# Allegro board 8880F5-0823_9.brd (continued)
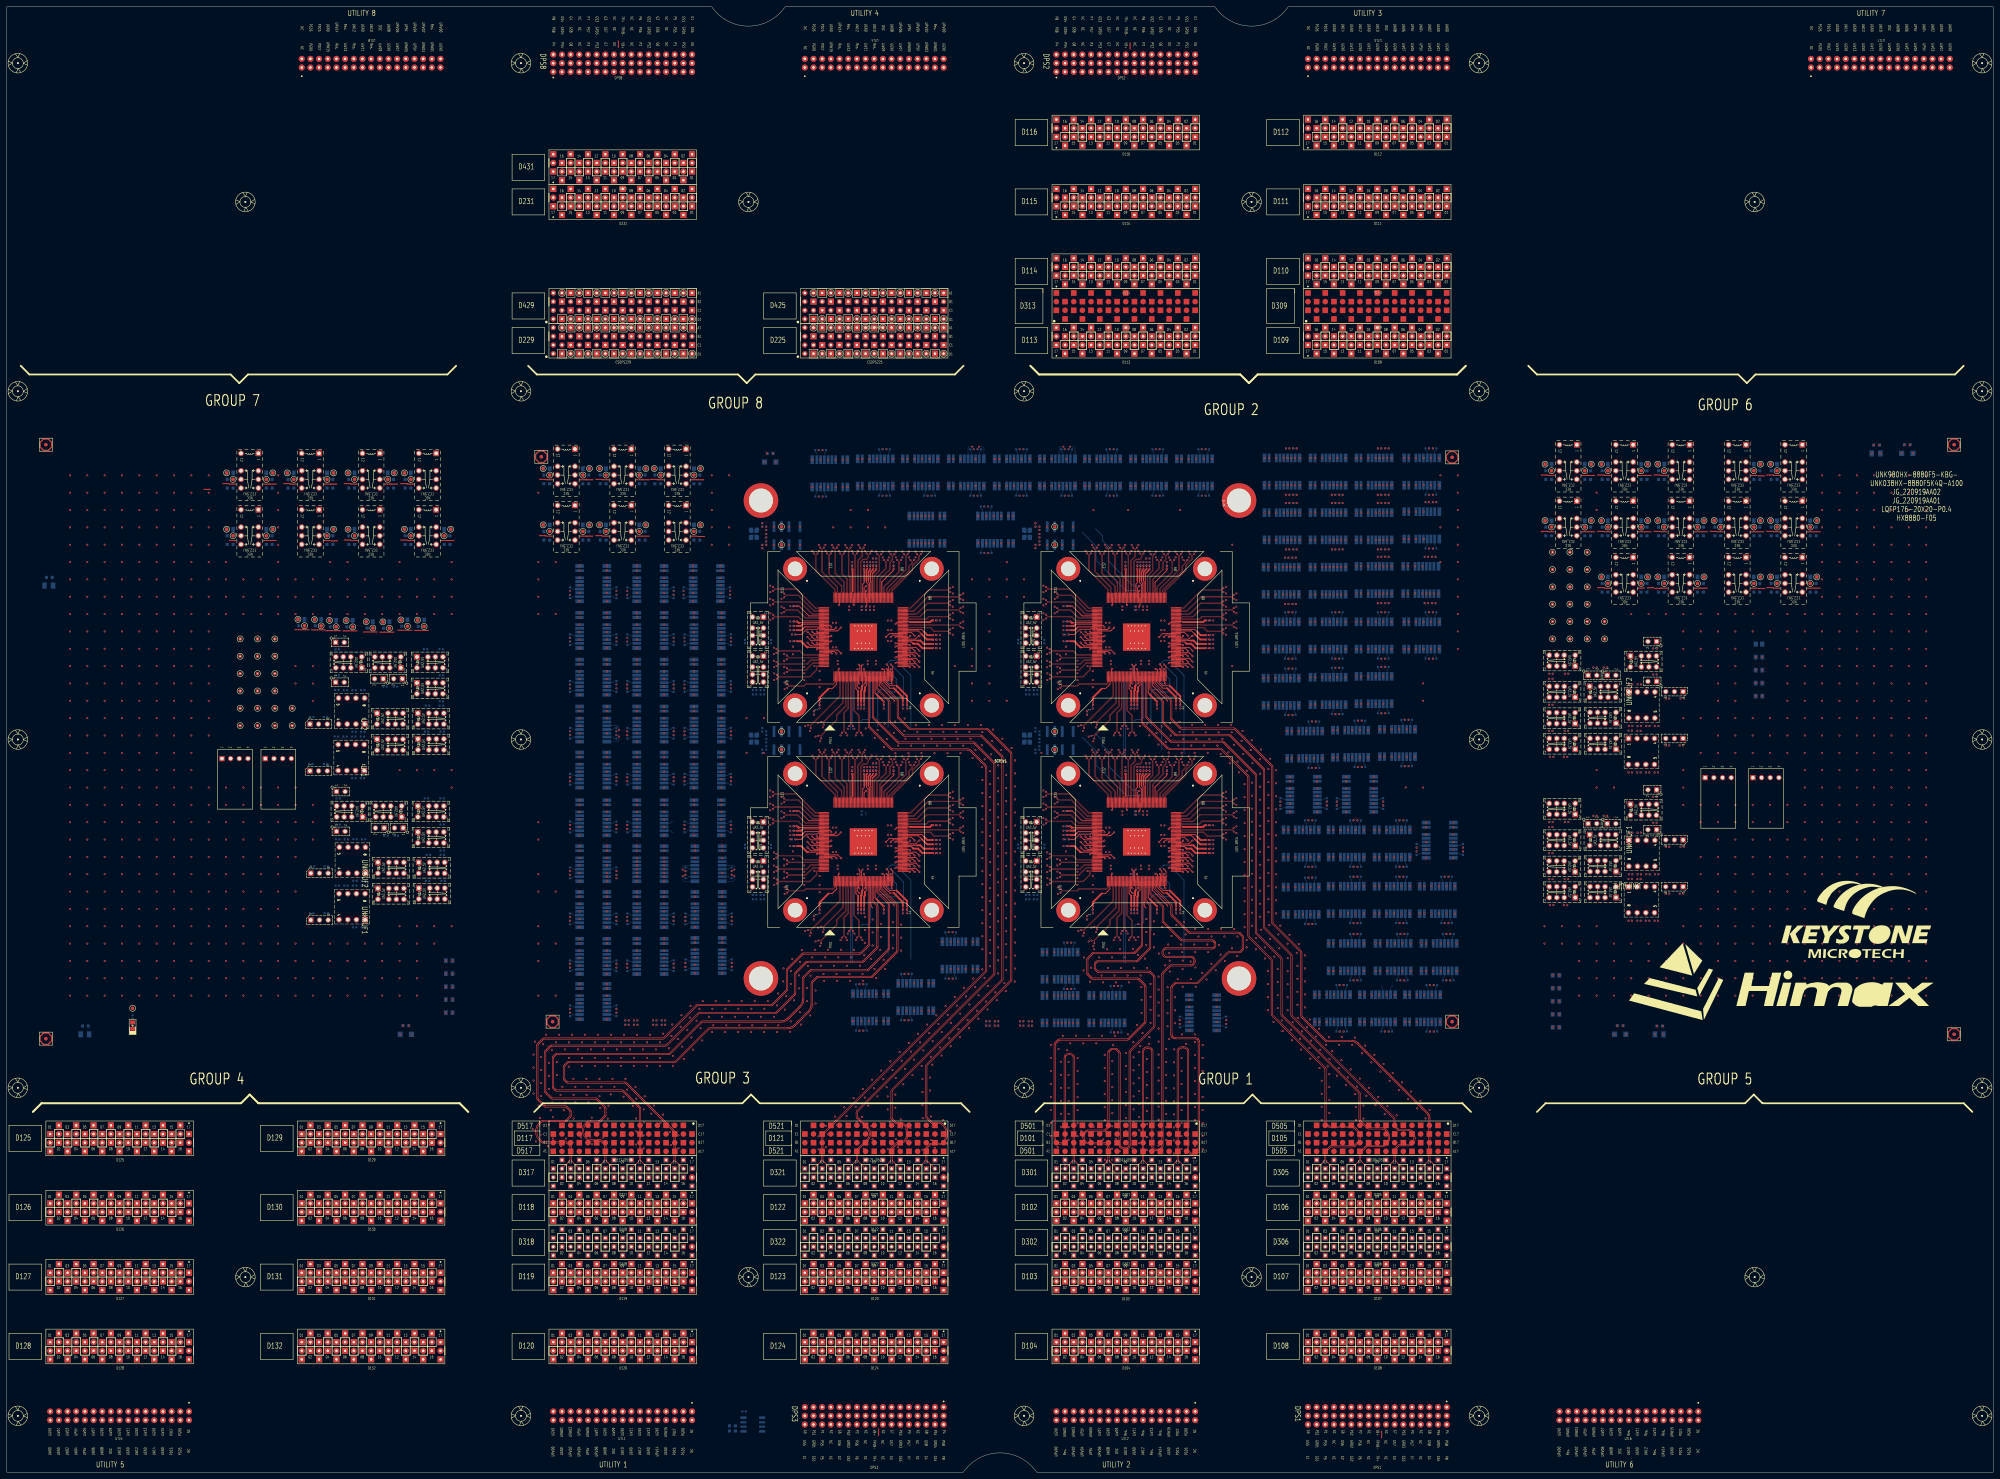
[diagram p0: board, top side]
## Routing (per net, layer and track width the routed paths; a pad name or vN(x,y) marks a point on that pad's centre or on a via; arc(x,y) is an arc through that point) (continued)
D10709: length 833.7
  TOP w0.086: v1(336.07,208.93) 335.64,208.51 335.64,204.07 334.15,202.58 334.15,197.86 334.23,197.78 SITE4.102
  L05_SIGNAL w0.071: D107.09 403.22,53.98 403.22,49.89 405.32,47.79 424.12,47.79 452.17,19.73 499.22,19.73 503.3,15.65 560.45,15.65 566.08,21.28 566.08,239.9 562.64,243.34 509.54,243.34 507.58,241.37 507.58,239.41 509.62,237.37 562.46,237.37 563.16,236.67 563.16,234.81 562.14,233.79 487.98,233.79 484.05,229.86 473.1,229.86 471.62,228.38 443.14,228.38 440.3,225.54 440.3,186.24 432.75,178.69 418.15,178.69 414.33,182.52 413.29,182.52 v1(412.81,182.99)
  L32_SIGNAL w0.071: v1(412.81,182.99) 412.32,182.5 407.75,182.5 405.49,184.75 405.49,188.39 404.36,189.52 369.32,189.52 367.12,191.71 362.46,191.71 361.14,190.4 359.41,190.4 357.44,192.37 350.37,192.37 343.59,199.14 338.86,199.14 335.6,202.4 335.6,208.46 v1(336.07,208.93)
D10710: length 833.7
  TOP w0.086: v1(359.29,187.66) 358.84,188.11 344.06,188.11 343.98,188.03 SITE4.75
  L07_SIGNAL w0.071: v1(421.02,160.85) 421.5,160.37 421.5,159.71 422.1,159.1 437.85,159.1 444.44,152.51 444.44,128.31 450.77,121.98 519.53,121.98 526.96,114.55 526.96,27.12 526.09,26.25 521.14,26.25 520.03,25.14 520.03,24.13 520.85,23.31 525.36,23.31 525.84,22.83 525.84,22.17 524.96,21.29 440.3,21.29 439.81,20.8 439.81,20.26 440.31,19.75 523.13,19.75 524.03,18.85 524.03,17.84 522.9,16.7 446.86,16.7 445.58,15.43 445.58,14.35 447.42,12.51 516.96,12.51 517.55,11.93 517.55,11.04 516.47,9.96 448.76,9.96 435.6,23.12 435.6,50.79 423.68,62.71 407.11,62.71 406.66,62.27 406.66,61.16 406.02,60.52 405.96,60.52 D107.10
  L30_SIGNAL w0.071: v1(421.02,160.85) 421.5,161.32 421.5,162.24 421.07,162.68 418.82,162.68 418.3,162.16 418.3,159.59 414.98,156.26 405.77,156.26 399.36,162.67 399.36,179.96 397.46,181.87 367.79,181.87 361.53,188.13 359.76,188.13 v1(359.29,187.66)
D10711: length 833.7
  TOP w0.086: v1(334.93,208.93) 335.4,208.46 335.4,204.17 333.91,202.68 333.91,197.86 333.83,197.78 SITE4.103
  L05_SIGNAL w0.071: D107.11 404.43,53.91 404.1,53.91 403.42,53.22 403.42,49.97 405.41,47.98 424.2,47.98 452.25,19.93 499.3,19.93 503.38,15.85 560.37,15.85 565.88,21.36 565.88,239.82 562.55,243.14 509.63,243.14 507.78,241.29 507.78,239.49 509.7,237.57 562.54,237.57 563.36,236.75 563.36,234.73 562.23,233.59 488.07,233.59 484.13,229.66 473.18,229.66 471.7,228.18 443.22,228.18 440.5,225.46 440.5,186.16 432.83,178.5 418.07,178.5 414.25,182.32 413.29,182.32 v1(412.81,181.84)
  L32_SIGNAL w0.071: v1(334.93,208.93) 335.4,208.46 335.4,202.32 338.77,198.94 343.51,198.94 350.28,192.17 357.36,192.17 359.33,190.2 361.23,190.2 362.54,191.52 367.04,191.52 369.23,189.32 404.28,189.32 405.3,188.3 405.3,184.67 407.67,182.3 412.36,182.3 v1(412.81,181.84)
D10712: length 833.7
  TOP w0.086: v1(359.29,188.8) 358.84,188.35 344.06,188.35 343.98,188.43 SITE4.76
  L07_SIGNAL w0.071: v1(422.17,160.85) 421.7,160.37 421.7,159.79 422.18,159.3 437.93,159.3 444.64,152.59 444.64,128.4 450.85,122.18 519.61,122.18 527.16,114.63 527.16,27.03 526.18,26.05 521.22,26.05 520.23,25.06 520.23,24.22 520.94,23.51 525.44,23.51 526.03,22.91 526.03,22.09 525.04,21.09 440.38,21.09 440,20.72 440,20.34 440.39,19.95 523.21,19.95 524.23,18.93 524.23,17.75 522.98,16.5 446.94,16.5 445.78,15.35 445.78,14.43 447.5,12.71 517.05,12.71 517.75,12.01 517.75,10.96 516.55,9.76 448.68,9.76 435.4,23.03 435.4,50.71 423.6,62.51 407.19,62.51 406.86,62.18 406.86,60.5 D107.12
  L30_SIGNAL w0.071: v1(359.29,188.8) 359.76,188.33 361.61,188.33 367.87,182.06 397.54,182.06 399.56,180.05 399.56,162.76 405.86,156.46 414.9,156.46 418.11,159.67 418.11,162.24 418.74,162.87 421.15,162.87 421.7,162.32 421.7,161.31 v1(422.17,160.85)
D10713: length 833.7
  TOP w0.086: v1(345.72,207.21) 345.28,206.78 345.28,206.31 344.35,205.37 344.35,204.04 338.55,198.23 338.55,197.86 338.63,197.78 SITE4.91
  L05_SIGNAL w0.071: D107.13 412.79,54.57 412.79,52.34 416.28,48.86 427.4,48.86 453.57,22.69 555.75,22.69 563.83,30.77 563.83,230.64 562.35,232.12 494.86,232.12 493.88,231.13 493.88,228.75 494.44,228.18 546.31,228.18 547.55,226.95 547.55,225.28 546.38,224.11 449.07,224.11 444.09,219.12 444.09,185.63 426.21,167.75 426.21,162.05 423.92,159.76 422.49,159.76 422,159.27 422,158.14 v1(421.53,157.67)
  L32_SIGNAL w0.071: v1(345.72,207.21) 345.24,206.74 345.24,200.23 349.01,196.47 357.38,196.47 360.61,199.7 420.47,199.7 427.29,192.87 427.29,154.49 426.35,153.55 424.45,153.55 422,155.99 422,157.2 v1(421.53,157.67)
D10714: length 606.6
  L07_SIGNAL w0.071: v1(421.02,174.43) 421.43,174.43 421.5,174.36 421.5,172.59 430.97,163.12 437.04,163.12 447.22,152.95 447.22,128.93 453.37,122.77 520.02,122.77 528.49,114.3 528.49,19.86 516.95,8.31 448.15,8.31 434.08,22.38 434.08,49.33 421.27,62.15 416.65,62.15 416.19,61.68 416.19,60.59 D107.14
  L30_SIGNAL w0.071: v1(421.02,174.43) 421.5,173.96 421.5,173.04 426.91,167.62 426.91,135.65 416.34,125.08 401.59,125.08 388.53,138.14 357.01,138.14 355.95,137.09 353.41,137.09 350.43,140.07 350.43,142.28 344.46,148.24 340.59,148.24 339.16,146.81 317.71,146.81 313.69,142.79 303.19,142.79 300.04,139.65 300.04,136.22 300.73,135.54 309.6,135.54 310.01,135.13 v1(310.01,131.64)
D10715: length 833.7
  TOP w0.086: SITE4.92 338.23,197.78 338.31,197.86 338.31,198.33 344.11,204.13 344.11,205.47 345.04,206.4 345.04,206.74 v1(344.57,207.21)
  L05_SIGNAL w0.071: D107.15 415.66,54.98 413.91,54.98 412.99,54.07 412.99,52.42 416.36,49.06 427.49,49.06 453.65,22.89 555.67,22.89 563.63,30.85 563.63,230.56 562.27,231.92 494.95,231.92 494.08,231.05 494.08,228.83 494.52,228.38 546.39,228.38 547.75,227.03 547.75,225.2 546.46,223.91 449.15,223.91 444.29,219.04 444.29,185.54 426.41,167.67 426.41,161.97 424,159.56 422.57,159.56 422.2,159.19 422.2,158.14 v1(422.68,157.67)
  L32_SIGNAL w0.071: v1(344.57,207.21) 345.04,206.74 345.04,200.15 348.93,196.27 357.46,196.27 360.69,199.5 420.38,199.5 427.09,192.79 427.09,154.57 426.27,153.74 424.53,153.74 422.2,156.07 422.2,157.2 v1(422.68,157.67)
D10716: length 606.6
  L07_SIGNAL w0.071: D107.16 417.79,59.73 417.59,59.73 416.38,60.93 416.38,61.6 416.74,61.95 421.19,61.95 433.88,49.25 433.88,22.3 448.07,8.12 517.03,8.12 528.69,19.77 528.69,114.38 520.1,122.97 453.45,122.97 447.41,129.01 447.41,153.03 437.12,163.32 431.05,163.32 421.7,172.68 421.7,174.36 421.77,174.43 v1(422.17,174.43)
  L30_SIGNAL w0.071: v1(422.17,174.43) 421.7,173.96 421.7,173.12 427.11,167.7 427.11,135.57 416.43,124.88 401.51,124.88 388.45,137.94 357.09,137.94 356.03,136.89 353.33,136.89 350.23,139.99 350.23,142.2 344.38,148.05 340.67,148.05 339.24,146.61 317.79,146.61 313.77,142.6 303.27,142.6 300.24,139.56 300.24,136.3 300.81,135.74 309.59,135.74 310.01,136.15 v1(310.01,139.64)
D10801: length 457
  TOP w0.086: v1(314.6,158.8) 315.24,158.8 323.91,167.47 323.91,171.4 323.83,171.48 SITE4.5
  L03_SIGNAL w0.071: v1(386.52,196.45) 387,195.98 387.43,195.98 388.06,195.35 388.06,190.1 385.9,187.94 385.9,127.71 373.28,115.09 373.28,32.53 376.14,29.67 382.76,29.67 383.66,30.57 383.66,33.26 382.97,33.94 382.62,33.94 D108.01
  L28_SIGNAL w0.071: v1(314.6,158.8) 315.27,158.8 315.63,159.16 315.63,159.74 315.21,160.16 313.47,160.16 309.83,156.51 287.7,156.51 275.45,168.76 275.45,208 279.55,212.1 282.14,212.1 283.58,213.54 283.58,215.39 282.91,216.05 269.64,216.05 268.83,216.87 268.83,218.85 269.6,219.62 298.49,219.62 306.01,212.1 310.22,212.1 315.69,206.62 320.92,206.62 326.3,201.24 334.47,201.24 336.87,198.84 352.94,198.84 357.4,203.3 366.51,203.3 370.15,199.66 372.31,199.66 374.51,197.46 383.29,197.46 384.77,195.98 386.05,195.98 v1(386.52,196.45)
D10802: length 457
  TOP w0.086: v1(330.13,156.61) 329.68,157.05 329.68,161.65 328.15,163.18 328.15,171.4 328.23,171.48 SITE4.16
  L03_SIGNAL w0.071: v1(389.45,195.31) 389.92,195.78 390.47,195.78 391.08,195.17 391.08,186.1 387.7,182.71 387.7,124.31 375.9,112.51 375.9,48.41 379.53,44.78 384.57,44.78 386.56,42.8 386.56,39.69 386.23,39.36 384.8,39.36 D108.02
  L28_SIGNAL w0.071: v1(330.13,156.61) 329.66,156.13 329.66,154.83 329.19,154.36 329.19,147.38 338.9,137.67 448.12,137.67 451.38,140.93 451.38,147.41 457.83,153.85 457.83,196.05 456.57,197.3 392.75,197.3 391.23,195.78 389.92,195.78 v1(389.45,195.31)
D10803: length 457
  TOP w0.086: v1(315.41,157.99) 315.41,158.63 324.15,167.37 324.15,171.4 324.23,171.48 SITE4.6
  L03_SIGNAL w0.071: v1(386.52,195.31) 387,195.78 387.34,195.78 387.86,195.26 387.86,190.18 385.7,188.02 385.7,127.8 373.08,115.17 373.08,32.45 376.06,29.47 382.84,29.47 383.86,30.49 383.86,33.34 D108.03
  L28_SIGNAL w0.071: v1(315.41,157.99) 315.41,158.66 315.82,159.08 315.82,159.83 315.3,160.35 313.39,160.35 309.74,156.71 287.78,156.71 275.65,168.84 275.65,207.92 279.64,211.9 282.22,211.9 283.78,213.45 283.78,215.47 282.99,216.25 269.73,216.25 269.02,216.96 269.02,218.76 269.68,219.42 298.41,219.42 305.92,211.9 310.14,211.9 315.61,206.42 320.83,206.42 326.22,201.04 334.39,201.04 336.79,198.64 353.02,198.64 357.48,203.11 366.43,203.11 370.07,199.46 372.22,199.46 374.42,197.26 383.21,197.26 384.69,195.78 386.05,195.78 v1(386.52,195.31)
D10804: length 457
  TOP w0.086: SITE4.15 327.83,171.48 327.91,171.4 327.91,163.08 329.45,161.55 329.45,157.06 v1(328.99,156.61)
  L03_SIGNAL w0.071: v1(389.45,196.45) 389.92,195.98 390.55,195.98 391.28,195.25 391.28,186.01 387.9,182.63 387.9,124.22 376.1,112.43 376.1,48.49 379.61,44.98 384.65,44.98 386.76,42.88 386.76,39.96 D108.04
  L28_SIGNAL w0.071: v1(328.99,156.61) 329.46,156.13 329.46,154.91 328.99,154.44 328.99,147.3 338.82,137.47 448.2,137.47 451.58,140.85 451.58,147.32 458.03,153.77 458.03,196.13 456.65,197.5 392.67,197.5 391.14,195.98 389.92,195.98 v1(389.45,196.45)
D10805: length 413.5
  TOP w0.086: v1(305.46,173.61) 305.91,173.16 315.09,173.16 317.01,175.08 317.01,175.98 317.38,176.35 317.6,176.35 317.68,176.43 SITE4.175
  L03_SIGNAL w0.071: v1(381.15,160.59) 381.62,161.06 381.62,161.53 382.21,162.12 383.15,162.12 383.73,161.54 383.73,130.23 370.11,116.61 370.11,8.39 373.83,4.67 439.34,4.67 440.92,6.25 440.92,10.01 439.55,11.37 398.59,11.37 397.32,12.65 397.32,22.76 393.84,26.23 393.84,33.13 392.62,34.36 392.36,34.36 D108.05
  L28_SIGNAL w0.071: v1(305.46,173.61) 305.93,173.14 316.06,173.14 318.09,171.1 326.97,171.1 328.12,172.25 352.2,172.25 355.85,168.6 374.8,168.6 378.93,164.47 378.93,159.63 379.86,158.7 381.16,158.7 381.62,159.16 381.62,160.12 v1(381.15,160.59)
D10806: length 413.5
  TOP w0.086: v1(308.38,178.12) 308.77,178.5 317.6,178.5 317.68,178.43 SITE4.170
  L03_SIGNAL w0.071: v1(395.5,177.36) 395.03,177.83 395.03,178.83 394.19,179.67 393.08,179.67 389.38,175.97 389.38,120.28 388.52,119.42 388.52,112.35 389.46,111.41 389.46,103.8 390.19,103.07 391.98,103.07 392.66,103.75 392.66,112.52 393.71,113.57 393.71,116.28 392.66,117.33 392.66,145.21 391.96,145.91 391.96,166.44 392.82,167.3 395.46,167.3 396.28,166.48 396.28,141.99 395.33,141.04 395.33,118.21 397.26,116.28 397.26,111.65 396.03,110.42 396.03,100.55 393.32,97.84 387.04,97.84 378.63,89.43 378.63,51.46 380.79,49.3 393.37,49.3 395.77,46.89 395.77,40.17 D108.06
  L28_SIGNAL w0.071: v1(308.38,178.12) 308.85,178.59 338.59,178.59 339.33,177.84 343.79,177.84 344.11,178.17 360.34,178.17 361.66,176.84 368.26,176.84 369.59,178.17 387.99,178.17 390.99,175.17 393.79,175.17 395.03,176.41 395.03,176.88 v1(395.5,177.36)
D10807: length 413.5
  TOP w0.086: v1(305.46,172.46) 305.91,172.92 315.19,172.92 317.25,174.98 317.25,175.88 317.48,176.11 317.6,176.11 317.68,176.03 SITE4.176
  L03_SIGNAL w0.071: v1(382.29,160.59) 381.82,161.06 381.82,161.45 382.29,161.92 383.07,161.92 383.53,161.46 383.53,130.31 369.91,116.69 369.91,8.31 373.74,4.48 439.42,4.48 441.12,6.17 441.12,10.09 439.64,11.57 398.68,11.57 397.52,12.73 397.52,22.84 394.04,26.32 394.04,33.36 D108.07
  L28_SIGNAL w0.071: v1(305.46,172.46) 305.93,172.94 315.98,172.94 318.01,170.9 327.06,170.9 328.2,172.05 352.12,172.05 355.76,168.4 374.72,168.4 378.73,164.39 378.73,159.55 379.78,158.5 381.24,158.5 381.82,159.07 381.82,160.12 v1(382.29,160.59)
D10808: length 413.5
  TOP w0.086: v1(308.38,179.26) 308.9,178.74 317.59,178.74 317.68,178.83 SITE4.169
  L03_SIGNAL w0.071: v1(394.35,177.36) 394.83,177.83 394.83,178.74 394.1,179.47 393.16,179.47 389.58,175.89 389.58,120.2 388.72,119.34 388.72,112.44 389.66,111.49 389.66,103.88 390.27,103.27 391.9,103.27 392.47,103.84 392.47,112.61 393.52,113.66 393.52,116.19 392.47,117.24 392.47,145.12 391.76,145.83 391.76,166.52 392.74,167.5 395.54,167.5 396.48,166.56 396.48,141.91 395.53,140.96 395.53,118.29 397.46,116.36 397.46,111.57 396.23,110.34 396.23,100.47 393.4,97.64 387.12,97.64 378.82,89.35 378.82,51.54 380.87,49.5 393.45,49.5 395.97,46.97 395.97,39.85 396.31,39.52 397.36,39.52 D108.08
  L28_SIGNAL w0.071: v1(308.38,179.26) 308.85,178.79 338.67,178.79 339.41,178.04 343.71,178.04 344.03,178.37 360.42,178.37 361.75,177.04 368.18,177.04 369.5,178.37 388.07,178.37 391.07,175.37 393.71,175.37 394.83,176.49 394.83,176.88 v1(394.35,177.36)
D10809: length 413.5
  TOP w0.086: SITE4.2 322.63,171.48 322.55,171.4 322.55,171.18 322.13,170.76 314.03,170.76 313.52,170.25 308.97,170.25 v1(308.51,169.79)
  L03_SIGNAL w0.071: v1(408.96,190.94) 408.49,190.47 408.49,189.39 410.3,187.58 431.9,187.58 449.17,170.3 449.17,29.94 442.9,23.67 406.76,23.67 403.05,27.38 403.05,33.76 403.05,33.83 D108.09
  L28_SIGNAL w0.071: v1(408.96,190.94) 408.49,190.47 408.49,189.33 411.61,186.22 411.61,158.69 409.45,156.53 380.09,156.53 376.17,160.45 376.17,163.79 374.5,165.46 357.08,165.46 352.14,170.4 340.58,170.4 338.84,168.66 317.31,168.66 315.7,170.26 308.98,170.26 v1(308.51,169.79)
D10810: length 413.5
  TOP w0.086: v1(305.36,180.02) 305.84,180.5 312.15,180.5 313.34,179.31 317.6,179.31 317.68,179.23 SITE4.168
  L03_SIGNAL w0.071: D108.10 405.96,40.2 406.21,40.2 406.52,40.52 406.52,46.07 411.07,50.62 421.15,50.62 423.52,52.98 423.52,91.55 401.14,113.93 401.14,143.74 403.15,145.75 403.15,156.33 401.14,158.34 401.14,190.06 398.26,192.94 395.91,192.94 395.03,192.06 395.03,191.42 395.02,191.42 v1(395.5,190.94)
  L28_SIGNAL w0.071: v1(395.5,190.94) 395.03,190.47 395.03,189.79 394.23,188.99 368.85,188.99 368.03,188.17 362.37,188.17 360.58,189.95 358.91,189.95 357.53,188.57 355.6,188.57 347.79,196.38 310.44,196.38 300.63,206.18 286.89,206.18 286.08,205.38 282.14,205.38 281.08,204.32 281.08,170.72 287.56,164.24 301.79,164.24 303.06,165.51 303.06,182.81 303.84,183.59 307.75,183.59 308.41,182.94 308.41,181.11 307.79,180.49 305.83,180.49 v1(305.36,180.02)
D10811: length 413.5
  TOP w0.086: SITE4.1 322.23,171.48 322.31,171.4 322.31,171.28 322.03,171 313.93,171 313.42,170.49 308.95,170.49 v1(308.51,170.93)
  L03_SIGNAL w0.071: v1(407.82,190.94) 408.29,190.47 408.29,189.31 410.21,187.38 431.81,187.38 448.98,170.22 448.98,30.02 442.82,23.86 406.84,23.86 403.25,27.46 403.25,33.78 403.69,34.22 405.06,34.22 D108.11
  L28_SIGNAL w0.071: v1(308.51,170.93) 308.98,170.46 315.78,170.46 317.39,168.85 338.76,168.85 340.5,170.59 352.23,170.59 357.17,165.65 374.59,165.65 376.37,163.87 376.37,160.53 380.17,156.73 409.37,156.73 411.41,158.77 411.41,186.13 408.29,189.25 408.29,190.47 v1(407.82,190.94)
D10812: length 413.5
  TOP w0.086: SITE4.167 317.68,179.63 317.6,179.55 313.44,179.55 312.25,180.74 305.78,180.74 v1(305.36,181.16)
  L03_SIGNAL w0.071: v1(394.35,190.94) 394.83,191.42 394.83,192.14 395.82,193.14 398.34,193.14 401.34,190.14 401.34,158.42 403.35,156.42 403.35,145.67 401.34,143.66 401.34,114.01 423.72,91.63 423.72,52.9 421.24,50.42 411.15,50.42 406.72,45.99 406.72,40.32 D108.12
  L28_SIGNAL w0.071: v1(394.35,190.94) 394.83,190.47 394.83,189.87 394.15,189.19 368.77,189.19 367.95,188.37 362.45,188.37 360.67,190.15 358.83,190.15 357.45,188.77 355.68,188.77 347.87,196.58 310.52,196.58 300.72,206.38 286.8,206.38 286,205.57 282.06,205.57 280.88,204.4 280.88,170.63 287.47,164.04 301.87,164.04 303.26,165.43 303.26,182.73 303.92,183.4 307.67,183.4 308.21,182.86 308.21,181.2 307.71,180.69 305.83,180.69 v1(305.36,181.16)
D10813: length 413.5
  TOP w0.086: v1(308.4,174.39) 308.85,174.85 314.04,174.85 316.1,176.91 317.6,176.91 317.68,176.83 SITE4.174
  L03_SIGNAL w0.071: D108.13 413.47,33.57 413.47,29.69 417.25,25.91 433.91,25.91 437.47,29.47 437.47,64.43 438.76,65.71 440.67,65.71 442.14,64.25 442.14,30.34 443.63,28.85 445.13,28.85 446.27,29.99 446.27,168.65 442.15,172.77 412.08,172.77 408.49,176.36 408.49,176.88 v1(408.96,177.36)
  L28_SIGNAL w0.071: v1(308.4,174.39) 308.87,174.87 315.46,174.87 317.3,173.03 352.69,173.03 355.38,170.33 365.05,170.33 365.95,169.44 368.09,169.44 368.99,170.33 401.91,170.33 406.69,175.12 407.98,175.12 408.49,175.62 408.49,176.88 v1(408.96,177.36)
D10814: length 457
  TOP w0.086: SITE4.14 327.43,171.48 327.35,171.4 327.35,159 v1(327.8,158.55)
  L03_SIGNAL w0.071: v1(403.03,195.31) 403.51,195.78 404.72,195.78 406.77,193.72 406.77,168.76 411.72,163.82 411.72,116.3 434.25,93.77 434.25,55.01 426.58,47.35 418.69,47.35 416.73,45.38 416.73,40.05 416.32,39.64 415.56,39.64 D108.14
  L28_SIGNAL w0.071: v1(327.8,158.55) 327.33,159.02 327.33,159.27 327.65,159.6 330.83,159.6 337.3,153.12 356.58,153.12 357.88,154.42 373.09,154.42 374.39,153.12 434.59,153.12 438,156.54 438,162.02 439.98,164 442.08,164 444.11,161.97 444.11,142.79 445.59,141.31 448.68,141.31 449.71,142.34 449.71,191.47 447.18,194 402.15,194 401.7,194.45 401.7,195.3 402.17,195.78 402.56,195.78 v1(403.03,195.31)
D10815: length 413.5
  TOP w0.086: v1(308.4,175.54) 308.85,175.08 313.94,175.08 316,177.15 317.6,177.15 317.68,177.23 SITE4.173
  L03_SIGNAL w0.071: v1(407.82,177.36) 408.29,176.88 408.29,176.28 411.99,172.57 442.06,172.57 446.07,168.56 446.07,30.07 445.05,29.04 443.71,29.04 442.33,30.42 442.33,64.33 440.75,65.91 438.68,65.91 437.28,64.51 437.28,29.56 433.83,26.11 417.33,26.11 413.67,29.77 413.67,33.68 414.05,34.06 415.06,34.06 D108.15
  L28_SIGNAL w0.071: v1(308.4,175.54) 308.87,175.06 315.55,175.06 317.39,173.22 352.77,173.22 355.46,170.53 365.13,170.53 366.03,169.63 368.01,169.63 368.9,170.53 401.83,170.53 406.61,175.31 407.9,175.31 408.29,175.71 408.29,176.88 v1(407.82,177.36)
D10816: length 457
  TOP w0.086: v1(326.65,158.55) 327.11,159 327.11,171.4 327.03,171.48 SITE4.13
  L03_SIGNAL w0.071: v1(403.03,196.45) 403.51,195.98 404.8,195.98 406.97,193.81 406.97,168.84 411.91,163.9 411.91,116.38 434.45,93.85 434.45,54.93 426.66,47.15 418.77,47.15 416.92,45.3 416.92,40.28 D108.16
  L28_SIGNAL w0.071: v1(326.65,158.55) 327.13,159.02 327.13,159.36 327.57,159.8 330.91,159.8 337.39,153.32 356.5,153.32 357.8,154.62 373.18,154.62 374.48,153.32 434.51,153.32 437.8,156.62 437.8,162.1 439.9,164.2 442.16,164.2 444.31,162.05 444.31,142.87 445.67,141.51 448.6,141.51 449.51,142.42 449.51,191.39 447.1,193.8 402.07,193.8 401.5,194.37 401.5,195.39 402.09,195.98 402.56,195.98 v1(403.03,196.45)
D10901: length 413.5
  TOP w0.086: SITE2.176 317.68,236.03 317.6,236.11 317.48,236.11 317.25,235.88 317.25,234.98 315.19,232.92 305.91,232.92 v1(305.46,232.46)
  L03_SIGNAL w0.071: v1(383.31,206.31) 382.83,205.84 382.83,205.84 382.83,202.23 384.53,200.52 386.3,200.52 396.77,211 445.87,211 449.68,207.19 468.78,207.19 473.28,211.69 473.28,241.91 481.56,250.2 481.56,313.9 454.87,340.6 421.04,340.6 418.67,338.24 418.67,334.77 419.46,333.98 420.4,333.98 D109.01
  L28_SIGNAL w0.071: v1(383.31,206.31) 382.83,205.84 382.83,204.51 382.36,204.04 381.46,204.04 379.66,205.84 379.66,222.03 378.04,223.64 359.7,223.64 355.84,219.78 344.37,219.78 341.38,222.77 341.38,225.23 334.92,231.69 328.47,231.69 327.72,230.94 317.5,230.94 315.51,232.94 305.93,232.94 v1(305.46,232.46)
D10902: length 413.5
  TOP w0.086: SITE2.168 317.68,239.23 317.6,239.31 313.34,239.31 312.15,240.5 305.84,240.5 v1(305.36,240.02)
  L03_SIGNAL w0.071: v1(403.63,235.9) 403.15,236.37 403.15,237.07 403.64,237.56 405.96,237.56 408.33,235.19 408.33,216.3 411.12,213.51 423.85,213.51 428.5,218.16 438.55,218.16 443.25,213.46 468.92,213.46 469.9,214.44 469.9,223.89 468.61,225.18 466.18,225.18 465.09,226.27 465.09,230.49 467.02,232.42 467.02,238.11 479.45,250.54 479.45,312.9 453.91,338.45 433.47,338.45 420.5,325.47 417.83,325.47 416.85,326.44 416.85,327.95 D109.02
  L28_SIGNAL w0.071: v1(305.36,240.02) 305.83,240.49 311.57,240.49 313.16,242.08 320.69,242.08 321.24,242.62 323.37,242.62 324.05,241.94 337.86,241.94 338.76,241.04 342.39,241.04 344.24,242.89 346.09,242.89 354.63,234.35 379.77,234.35 387.8,242.39 396.13,242.39 400.89,237.63 400.89,234.99 401.67,234.21 402.66,234.21 403.15,234.71 403.15,235.43 v1(403.63,235.9)
D10903: length 413.5
  TOP w0.086: SITE2.175 317.68,236.43 317.6,236.35 317.38,236.35 317.01,235.98 317.01,235.08 315.09,233.16 305.91,233.16 v1(305.46,233.61)
  L03_SIGNAL w0.071: D109.03 418.47,334.65 418.47,338.32 420.95,340.8 454.95,340.8 481.76,313.98 481.76,250.12 473.48,241.83 473.48,211.61 468.86,206.99 449.59,206.99 445.79,210.8 396.85,210.8 386.38,200.33 384.45,200.33 382.63,202.14 382.63,205.84 v1(382.16,206.31)
  L28_SIGNAL w0.071: v1(382.16,206.31) 382.63,205.84 382.63,204.59 382.28,204.23 381.54,204.23 379.85,205.92 379.85,222.11 378.13,223.84 359.62,223.84 355.76,219.98 344.46,219.98 341.58,222.86 341.58,225.31 335,231.89 328.39,231.89 327.64,231.14 317.58,231.14 315.59,233.14 305.93,233.14 v1(305.46,233.61)
D10904: length 413.5
  TOP w0.086: SITE2.167 317.68,239.63 317.6,239.55 313.44,239.55 312.25,240.74 305.78,240.74 v1(305.36,241.16)
  L03_SIGNAL w0.071: D109.04 415.27,328.95 415.62,328.95 416.66,327.92 416.66,326.36 417.75,325.27 420.58,325.27 433.56,338.25 453.83,338.25 479.26,312.82 479.26,250.62 466.83,238.19 466.83,232.5 464.89,230.57 464.89,226.19 466.1,224.99 468.52,224.99 469.7,223.8 469.7,214.52 468.84,213.65 443.33,213.65 438.63,218.36 428.42,218.36 423.77,213.71 411.21,213.71 408.53,216.38 408.53,235.27 406.05,237.75 403.55,237.75 402.95,237.15 402.95,236.37 v1(402.48,235.9)
  L28_SIGNAL w0.071: v1(402.48,235.9) 402.95,235.43 402.95,234.79 402.57,234.41 401.76,234.41 401.09,235.08 401.09,237.71 396.21,242.59 387.72,242.59 379.69,234.55 354.71,234.55 346.17,243.09 344.15,243.09 342.31,241.24 338.85,241.24 337.94,242.14 324.14,242.14 323.45,242.82 321.15,242.82 320.61,242.28 313.07,242.28 311.49,240.69 305.83,240.69 v1(305.36,241.16)
D10905: length 413.5
  TOP w0.086: SITE2.174 317.68,236.83 317.6,236.91 316.1,236.91 314.04,234.85 308.85,234.85 v1(308.4,234.39)
  L03_SIGNAL w0.071: D109.05 410.1,334.12 409.43,334.12 408.32,335.23 408.32,338.98 412.36,343.02 455.7,343.02 484.37,314.36 484.37,214.55 479.72,209.9 474.8,209.9 469.39,204.49 397.13,204.49 396.3,205.33 396.3,206.09 v1(396.77,206.57)
  L28_SIGNAL w0.071: v1(396.77,206.57) 396.29,206.09 396.29,205.15 395.8,204.66 394.66,204.66 393.21,206.1 393.21,209.95 390.37,212.8 382.17,212.8 381.07,213.9 381.07,223.16 374.58,229.65 338.58,229.65 335.35,232.88 318.3,232.88 316.32,234.87 308.87,234.87 v1(308.4,234.39)
D10906: length 413.5
  TOP w0.086: v1(308.38,238.12) 308.77,238.5 317.6,238.5 317.68,238.43 SITE2.170
  L03_SIGNAL w0.071: D109.06 406.57,327.83 406.57,322.66 419.87,309.37 436.11,309.37 438.86,312.13 438.86,316.78 445.01,322.93 465.34,322.93 472.1,316.17 472.1,310.31 468,306.21 451.47,306.21 448.31,303.05 448.31,225.03 443.81,220.53 414.81,220.53 411.61,223.73 411.61,235 407.12,239.49 401.82,239.49 399.96,237.64 399.96,227.41 403.15,224.22 403.15,222.79 v1(403.63,222.31)
  L28_SIGNAL w0.071: v1(308.38,238.12) 308.85,238.59 337.65,238.59 342.93,233.31 379.51,233.31 385.91,226.91 385.91,218.38 387.69,216.6 392.06,216.6 394.48,219.01 394.48,221.68 395.6,222.8 397.82,222.8 399.62,221 399.62,219.74 400.56,218.8 402.09,218.8 403.15,219.87 403.15,221.84 v1(403.63,222.31)
D10907: length 413.5
  TOP w0.086: SITE2.173 317.68,237.23 317.6,237.15 316,237.15 313.94,235.08 308.85,235.08 v1(308.4,235.54)
  L03_SIGNAL w0.071: v1(395.62,206.57) 396.1,206.09 396.1,205.24 397.05,204.29 469.48,204.29 474.89,209.7 479.8,209.7 484.57,214.47 484.57,314.44 455.79,343.22 412.28,343.22 408.12,339.06 408.12,334.46 D109.07
  L28_SIGNAL w0.071: v1(308.4,235.54) 308.87,235.06 316.4,235.06 318.38,233.08 335.43,233.08 338.66,229.85 374.66,229.85 381.27,223.24 381.27,213.98 382.25,213 390.45,213 393.41,210.04 393.41,206.19 394.74,204.86 395.72,204.86 396.1,205.23 396.1,206.09 v1(395.62,206.57)
D10908: length 413.5
  TOP w0.086: SITE2.169 317.68,238.83 317.59,238.74 308.9,238.74 v1(308.38,239.26)
  L03_SIGNAL w0.071: D109.08 404.91,329.15 405.27,329.15 406.38,328.05 406.38,322.58 419.78,309.17 436.19,309.17 439.06,312.04 439.06,316.7 445.09,322.73 465.26,322.73 471.9,316.09 471.9,310.39 467.92,306.41 451.39,306.41 448.11,303.13 448.11,225.11 443.73,220.73 414.89,220.73 411.81,223.81 411.81,235.08 407.2,239.69 401.73,239.69 399.76,237.72 399.76,227.32 402.95,224.13 402.95,222.79 v1(402.48,222.31)
  L28_SIGNAL w0.071: v1(402.48,222.31) 402.95,221.84 402.95,219.95 402,219 400.64,219 399.82,219.82 399.82,221.08 397.9,223 395.52,223 394.28,221.76 394.28,219.1 391.98,216.8 387.78,216.8 386.11,218.46 386.11,226.99 379.59,233.51 343.01,233.51 337.74,238.79 308.85,238.79 v1(308.38,239.26)
D10909: length 457
  TOP w0.086: v1(327.8,218.55) 327.35,218.99 327.35,231.4 327.43,231.48 SITE2.14
  L03_SIGNAL w0.071: v1(390.16,235.65) 389.69,235.18 389.69,234.5 389.3,234.11 387.54,234.11 384.17,237.47 384.17,309.51 373.17,320.51 373.17,339.36 375.91,342.1 395.85,342.1 399.52,338.42 399.52,334.54 D109.09